# Altium PCB AIWAC_A33_RGB5寸LCD驱动板_20190109.PcbDoc (part 4 of 14) (continued)
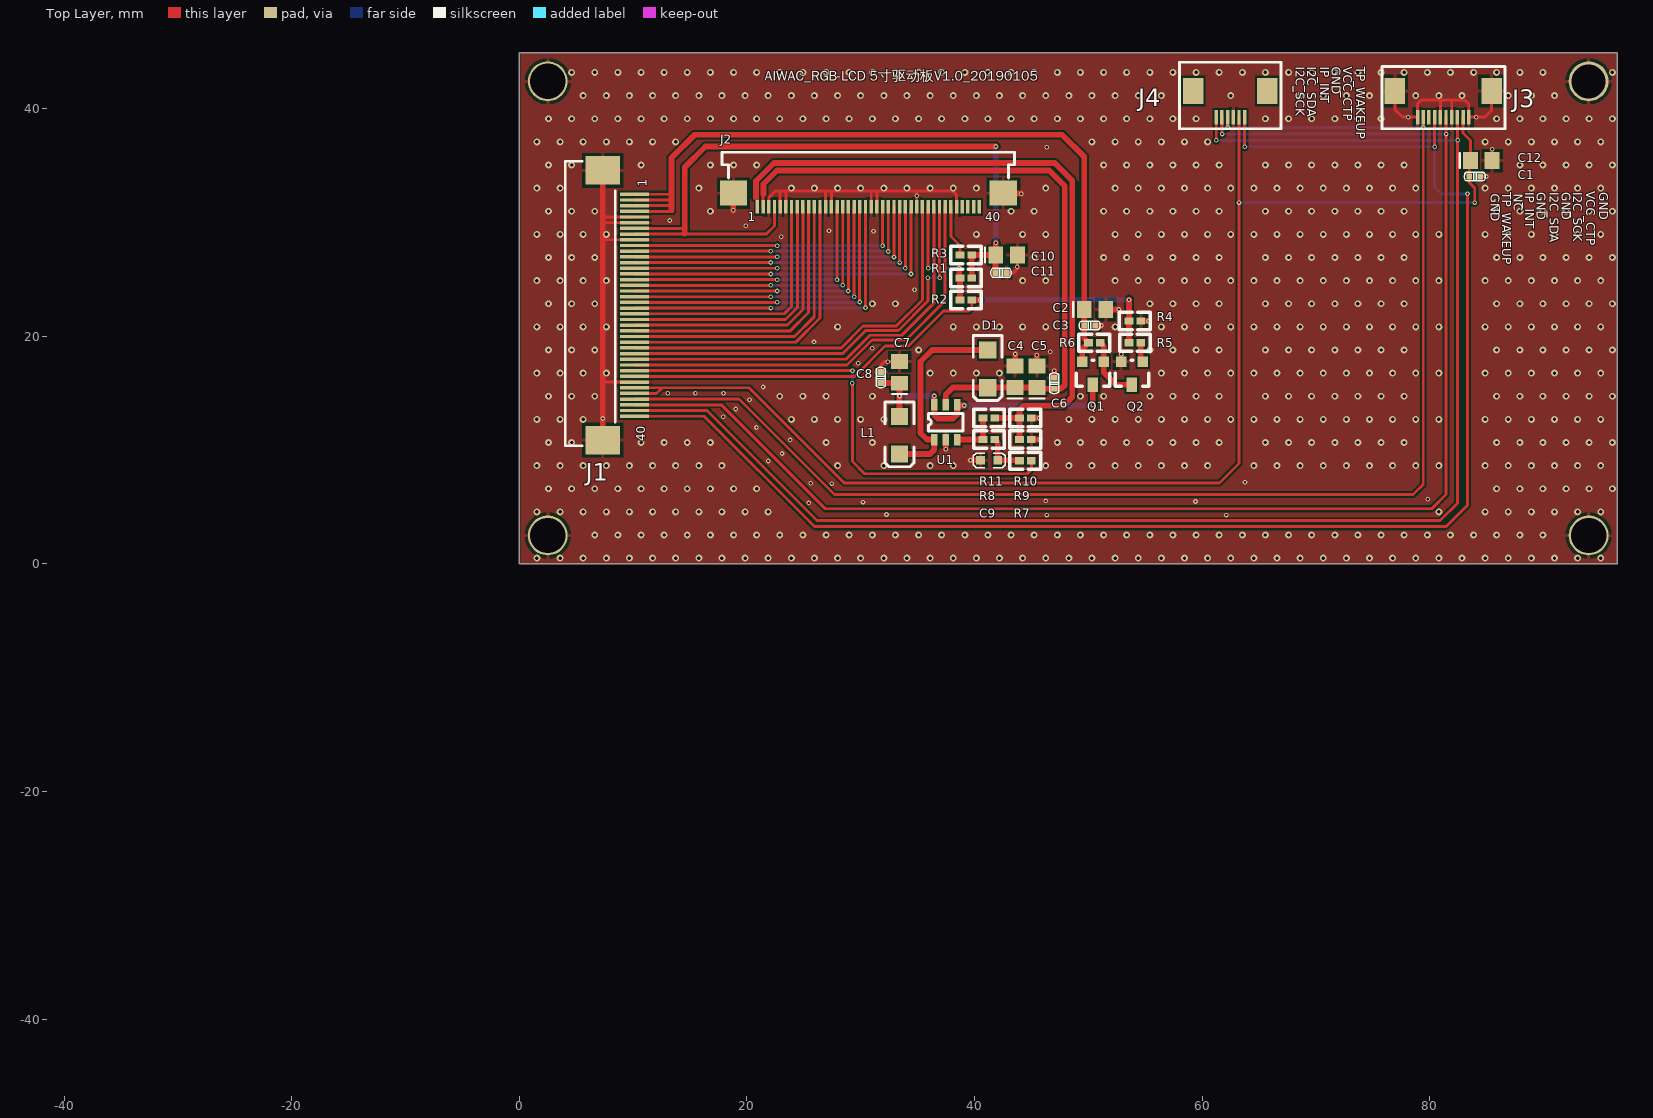
[diagram p0: Top Layer view]
## Free pads (board coordinates) (continued)
1(-39.025,-44.136) 1(-39.025,-44.096) 1(-39.025,-44.096) 1(-39.025,-44.096) 1(-39.025,-44.127) 1(-39.025,-44.127) 1(-39.025,-44.127) 1(-39.025,-44.126) 1(-39.025,-44.126) 1(-39.025,-44.126) 1(-39.025,-44.105) 1(-39.025,-44.105) 1(-39.025,-44.105) 1(-39.025,-44.103) 1(-39.025,-44.103) 1(-39.025,-44.103) 1(-39.025,-44.103) 1(-39.025,-44.103) 1(-39.025,-44.103) 1(-39.025,-44.131) 1(-39.025,-44.131) 1(-39.025,-44.131) 1(-39.024,-44.103) 1(-39.024,-44.103) 1(-39.024,-44.103) 1(-39.024,-44.103) 1(-39.024,-44.103) 1(-39.024,-44.103) 1(-39.024,-44.102) 1(-39.024,-44.102) 1(-39.024,-44.102) 1(-39.024,-44.102) 1(-39.024,-44.102) 1(-39.024,-44.102) 1(-39.024,-44.108) 1(-39.024,-44.108) 1(-39.024,-44.108) 1(-39.024,-44.124) 1(-39.024,-44.124) 1(-39.024,-44.124) 1(-39.024,-44.128) 1(-39.024,-44.128) 1(-39.024,-44.128) 1(-39.024,-44.1) 1(-39.024,-44.1) 1(-39.024,-44.1) 1(-39.024,-44.1) 1(-39.024,-44.1) 1(-39.024,-44.1) 1(-39.024,-44.1) 1(-39.024,-44.1) 1(-39.024,-44.1) 1(-39.024,-44.1) 1(-39.024,-44.1) 1(-39.024,-44.1) 1(-39.024,-44.103) 1(-39.024,-44.103) 1(-39.024,-44.103) 1(-39.024,-44.103) 1(-39.024,-44.103) 1(-39.024,-44.103) 1(-39.024,-44.102) 1(-39.024,-44.102) 1(-39.024,-44.102) 1(-39.024,-44.102) 1(-39.024,-44.102) 1(-39.024,-44.102) 1(-39.024,-44.149) 1(-39.024,-44.149) 1(-39.024,-44.149) 1(-39.024,-44.133) 1(-39.024,-44.133) 1(-39.024,-44.133) 1(-39.024,-44.101) 1(-39.024,-44.101) 1(-39.024,-44.101) 1(-39.024,-44.101) 1(-39.024,-44.101) 1(-39.024,-44.101) 1(-39.024,-44.105) 1(-39.024,-44.105) 1(-39.024,-44.105) 1(-39.024,-44.103) 1(-39.024,-44.103) 1(-39.024,-44.103) 1(-39.024,-44.103) 1(-39.024,-44.103) 1(-39.024,-44.103) 1(-39.024,-44.115) 1(-39.024,-44.115) 1(-39.024,-44.115) 1(-39.024,-44.115) 1(-39.024,-44.115) 1(-39.024,-44.115) 1(-39.024,-44.107) 1(-39.024,-44.107) 1(-39.024,-44.107) 1(-39.023,-44.101) 1(-39.023,-44.101) 1(-39.023,-44.101) 1(-39.023,-44.101) 1(-39.023,-44.101) 1(-39.023,-44.101) 1(-39.023,-44.115) 1(-39.023,-44.115) 1(-39.023,-44.115) 1(-39.023,-44.115) 1(-39.023,-44.115) 1(-39.023,-44.115) 1(-39.023,-44.101) 1(-39.023,-44.101) 1(-39.023,-44.101) 1(-39.023,-44.101) 1(-39.023,-44.101) 1(-39.023,-44.101) 1(-39.023,-44.142) 1(-39.023,-44.142) 1(-39.023,-44.142) 1(-39.023,-44.101) 1(-39.023,-44.101) 1(-39.023,-44.101) 1(-39.023,-44.101) 1(-39.023,-44.101) 1(-39.023,-44.101) 1(-39.023,-44.14) 1(-39.023,-44.14) 1(-39.023,-44.14) 1(-39.023,-44.106) 1(-39.023,-44.106) 1(-39.023,-44.106) 1(-39.023,-44.127) 1(-39.023,-44.127) 1(-39.023,-44.127) 1(-39.023,-44.122) 1(-39.023,-44.122) 1(-39.023,-44.122) 1(-39.023,-44.122) 1(-39.023,-44.122) 1(-39.023,-44.122) 1(-39.023,-44.122) 1(-39.023,-44.122) 1(-39.023,-44.122) 1(-39.023,-44.128) 1(-39.023,-44.128) 1(-39.023,-44.128) 1(-39.023,-44.128) 1(-39.023,-44.128) 1(-39.023,-44.128) 1(-39.022,-44.141) 1(-39.022,-44.141) 1(-39.022,-44.141) 1(-39.022,-44.141) 1(-39.022,-44.141) 1(-39.022,-44.141) 1(-39.022,-44.141) 1(-39.022,-44.141) 1(-39.022,-44.141) 1(-39.022,-44.106) 1(-39.022,-44.106) 1(-39.022,-44.106) 1(-39.022,-44.106) 1(-39.022,-44.106) 1(-39.022,-44.106) 1(-39.022,-44.105) 1(-39.022,-44.105) 1(-39.022,-44.105) 1(-39.022,-44.127) 1(-39.022,-44.127) 1(-39.022,-44.127) 1(-39.022,-44.127) 1(-39.022,-44.127) 1(-39.022,-44.127) 1(-39.022,-44.116) 1(-39.022,-44.116) 1(-39.022,-44.116) 1(-39.022,-44.116) 1(-39.022,-44.116) 1(-39.022,-44.116) 1(-39.022,-44.139) 1(-39.022,-44.139) 1(-39.022,-44.139) 1(-39.022,-44.129) 1(-39.022,-44.129) 1(-39.022,-44.129) 1(-39.022,-44.129) 1(-39.022,-44.129) 1(-39.022,-44.129) 1(-39.022,-44.102) 1(-39.022,-44.102) 1(-39.022,-44.102) 1(-39.022,-44.097) 1(-39.022,-44.097) 1(-39.022,-44.097) 1(-39.022,-44.138) 1(-39.022,-44.138) 1(-39.022,-44.138) 1(-39.022,-44.138) 1(-39.022,-44.138) 1(-39.022,-44.138) 1(-39.022,-44.131) 1(-39.022,-44.131) 1(-39.022,-44.131) 1(-39.022,-44.131) 1(-39.022,-44.131) 1(-39.022,-44.131) 1(-39.022,-44.149) 1(-39.022,-44.149) 1(-39.022,-44.149) 1(-39.022,-44.14) 1(-39.022,-44.14) 1(-39.022,-44.14) 1(-39.022,-44.103) 1(-39.022,-44.103) 1(-39.022,-44.103) 1(-39.022,-44.103) 1(-39.022,-44.103) 1(-39.022,-44.103) 1(-39.022,-44.125) 1(-39.022,-44.125) 1(-39.022,-44.125) 1(-39.022,-44.123) 1(-39.022,-44.123) 1(-39.022,-44.123) 1(-39.022,-44.115) 1(-39.022,-44.115) 1(-39.022,-44.115) 1(-39.022,-44.127) 1(-39.022,-44.127) 1(-39.022,-44.127) 1(-39.022,-44.119) 1(-39.022,-44.119) 1(-39.022,-44.119) 1(-39.022,-44.128) 1(-39.022,-44.128) 1(-39.022,-44.128) 1(-39.022,-44.128) 1(-39.022,-44.128) 1(-39.022,-44.128) 1(-39.021,-44.103) 1(-39.021,-44.103) 1(-39.021,-44.103) 1(-39.021,-44.103) 1(-39.021,-44.103) 1(-39.021,-44.103) 1(-39.021,-44.102) 1(-39.021,-44.102) 1(-39.021,-44.102) 1(-39.021,-44.102) 1(-39.021,-44.102) 1(-39.021,-44.102) 1(-39.021,-44.139) 1(-39.021,-44.139) 1(-39.021,-44.139) 1(-39.021,-44.139) 1(-39.021,-44.139) 1(-39.021,-44.139) 1(-39.021,-44.106) 1(-39.021,-44.106) 1(-39.021,-44.106) 1(-39.021,-44.106) 1(-39.021,-44.106) 1(-39.021,-44.106) 1(-39.021,-44.105) 1(-39.021,-44.105) 1(-39.021,-44.105) 1(-39.021,-44.143) 1(-39.021,-44.143) 1(-39.021,-44.143) 1(-39.021,-44.143) 1(-39.021,-44.143) 1(-39.021,-44.143) 1(-39.021,-44.135) 1(-39.021,-44.135) 1(-39.021,-44.135) 1(-39.021,-44.138) 1(-39.021,-44.138) 1(-39.021,-44.138) 1(-39.02,-44.142) 1(-39.02,-44.142) 1(-39.02,-44.142) 1(-39.02,-44.142) 1(-39.02,-44.142) 1(-39.02,-44.142) 1(-39.02,-44.113) 1(-39.02,-44.113) 1(-39.02,-44.113) 1(-39.02,-44.151) 1(-39.02,-44.151) 1(-39.02,-44.151) 1(-39.02,-44.149) 1(-39.02,-44.149) 1(-39.02,-44.149) 1(-39.02,-44.143) 1(-39.02,-44.143) 1(-39.02,-44.143) 1(-39.02,-44.143) 1(-39.02,-44.143) 1(-39.02,-44.143) 1(-39.02,-44.107) 1(-39.02,-44.107) 1(-39.02,-44.107) 1(-39.02,-44.107) 1(-39.02,-44.107) 1(-39.02,-44.107) 1(-39.02,-44.105) 1(-39.02,-44.105) 1(-39.02,-44.105) 1(-39.02,-44.143) 1(-39.02,-44.143) 1(-39.02,-44.143) 1(-39.02,-44.143) 1(-39.02,-44.143) 1(-39.02,-44.143) 1(-39.02,-44.094) 1(-39.02,-44.094) 1(-39.02,-44.094) 1(-39.019,-44.109) 1(-39.019,-44.109) 1(-39.019,-44.109) 1(-39.019,-44.109) 1(-39.019,-44.109) 1(-39.019,-44.109) 1(-39.019,-44.108) 1(-39.019,-44.108) 1(-39.019,-44.108) 1(-39.019,-44.108) 1(-39.019,-44.108) 1(-39.019,-44.108) 1(-39.019,-44.103) 1(-39.019,-44.103) 1(-39.019,-44.103) 1(-39.019,-44.138) 1(-39.019,-44.138) 1(-39.019,-44.138) 1(-39.019,-44.13) 1(-39.019,-44.13) 1(-39.019,-44.13) 1(-39.019,-44.132) 1(-39.019,-44.132) 1(-39.019,-44.132) 1(-39.019,-44.108) 1(-39.019,-44.108) 1(-39.019,-44.108) 1(-39.019,-44.108) 1(-39.019,-44.108) 1(-39.019,-44.108) 1(-39.019,-44.145) 1(-39.019,-44.145) 1(-39.019,-44.145) 1(-39.019,-44.143) 1(-39.019,-44.143) 1(-39.019,-44.143) 1(-39.019,-44.143) 1(-39.019,-44.143) 1(-39.019,-44.143) 1(-39.019,-44.107) 1(-39.019,-44.107) 1(-39.019,-44.107) 1(-39.019,-44.107) 1(-39.019,-44.107) 1(-39.019,-44.107) 1(-39.019,-44.105) 1(-39.019,-44.105) 1(-39.019,-44.105) 1(-39.018,-44.14) 1(-39.018,-44.14) 1(-39.018,-44.14) 1(-39.018,-44.134) 1(-39.018,-44.134) 1(-39.018,-44.134) 1(-39.018,-44.139) 1(-39.018,-44.139) 1(-39.018,-44.139) 1(-39.018,-44.139) 1(-39.018,-44.139) 1(-39.018,-44.139) 1(-39.018,-44.129) 1(-39.018,-44.129) 1(-39.018,-44.129) 1(-39.018,-44.147) 1(-39.018,-44.147) 1(-39.018,-44.147) 1(-39.018,-44.143) 1(-39.018,-44.143) 1(-39.018,-44.143) 1(-39.018,-44.143) 1(-39.018,-44.143) 1(-39.018,-44.143) 1(-39.018,-44.107) 1(-39.018,-44.107) 1(-39.018,-44.107) 1(-39.018,-44.107) 1(-39.018,-44.107) 1(-39.018,-44.107) 1(-39.018,-44.103) 1(-39.018,-44.103) 1(-39.018,-44.103) 1(-39.018,-44.103) 1(-39.018,-44.103) 1(-39.018,-44.103) 1(-39.017,-44.146) 1(-39.017,-44.146) 1(-39.017,-44.146) 1(-39.017,-44.146) 1(-39.017,-44.146) 1(-39.017,-44.146) 1(-39.017,-44.145) 1(-39.017,-44.145) 1(-39.017,-44.145) 1(-39.017,-44.106) 1(-39.017,-44.106) 1(-39.017,-44.106) 1(-39.017,-44.106) 1(-39.017,-44.106) 1(-39.017,-44.106) 1(-39.017,-44.105) 1(-39.017,-44.105) 1(-39.017,-44.105) 1(-39.017,-44.131) 1(-39.017,-44.131) 1(-39.017,-44.131) 1(-39.017,-44.133) 1(-39.017,-44.133) 1(-39.017,-44.133) 1(-39.017,-44.134) 1(-39.017,-44.134) 1(-39.017,-44.134) 1(-39.017,-44.107) 1(-39.017,-44.107) 1(-39.017,-44.107) 1(-39.017,-44.107) 1(-39.017,-44.107) 1(-39.017,-44.107) 1(-39.017,-44.128) 1(-39.017,-44.128) 1(-39.017,-44.128) 1(-39.017,-44.113) 1(-39.017,-44.113) 1(-39.017,-44.113) 1(-39.017,-44.142) 1(-39.017,-44.142) 1(-39.017,-44.142) 1(-39.017,-44.142) 1(-39.017,-44.142) 1(-39.017,-44.142) 1(-39.017,-44.147) 1(-39.017,-44.147) 1(-39.017,-44.147) 1(-39.017,-44.147) 1(-39.017,-44.147) 1(-39.017,-44.147) 1(-39.016,-44.136) 1(-39.016,-44.136) 1(-39.016,-44.136) 1(-39.016,-44.136) 1(-39.016,-44.136) 1(-39.016,-44.136) 1(-39.016,-44.134) 1(-39.016,-44.134) 1(-39.016,-44.134) 1(-39.016,-44.134) 1(-39.016,-44.134) 1(-39.016,-44.134) 1(-39.016,-44.134) 1(-39.016,-44.134) 1(-39.016,-44.134) 1(-39.016,-44.14) 1(-39.016,-44.14) 1(-39.016,-44.14) 1(-39.016,-44.14) 1(-39.016,-44.14) 1(-39.016,-44.14) 1(-39.016,-44.137) 1(-39.016,-44.137) 1(-39.016,-44.137) 1(-39.016,-44.137) 1(-39.016,-44.137) 1(-39.016,-44.137) 1(-39.016,-44.146) 1(-39.016,-44.146) 1(-39.016,-44.146) 1(-39.016,-44.146) 1(-39.016,-44.146) 1(-39.016,-44.146) 1(-39.016,-44.145) 1(-39.016,-44.145) 1(-39.016,-44.145) 1(-39.016,-44.106) 1(-39.016,-44.106) 1(-39.016,-44.106) 1(-39.016,-44.106) 1(-39.016,-44.106) 1(-39.016,-44.106) 1(-39.016,-44.105) 1(-39.016,-44.105) 1(-39.016,-44.105) 1(-39.016,-44.105) 1(-39.016,-44.105) 1(-39.016,-44.105) 1(-39.016,-44.105) 1(-39.016,-44.105) 1(-39.016,-44.105) 1(-39.016,-44.129) 1(-39.016,-44.129) 1(-39.016,-44.129) 1(-39.016,-44.146) 1(-39.016,-44.146) 1(-39.016,-44.146) 1(-39.016,-44.146) 1(-39.016,-44.146) 1(-39.016,-44.146) 1(-39.016,-44.14) 1(-39.016,-44.14) 1(-39.016,-44.14) 1(-39.016,-44.14) 1(-39.016,-44.14) 1(-39.016,-44.14) 1(-39.016,-44.106) 1(-39.016,-44.106) 1(-39.016,-44.106) 1(-39.016,-44.106) 1(-39.016,-44.106) 1(-39.016,-44.106) 1(-39.015,-44.147) 1(-39.015,-44.147) 1(-39.015,-44.147) 1(-39.015,-44.147) 1(-39.015,-44.147) 1(-39.015,-44.147) 1(-39.015,-44.148) 1(-39.015,-44.148) 1(-39.015,-44.148) 1(-39.015,-44.146) 1(-39.015,-44.146) 1(-39.015,-44.146) 1(-39.015,-44.146) 1(-39.015,-44.146) 1(-39.015,-44.146) 1(-39.015,-44.14) 1(-39.015,-44.14) 1(-39.015,-44.14) 1(-39.015,-44.14) 1(-39.015,-44.14) 1(-39.015,-44.14) 1(-39.015,-44.146) 1(-39.015,-44.146) 1(-39.015,-44.146) 1(-39.015,-44.146) 1(-39.015,-44.146) 1(-39.015,-44.146) 1(-39.015,-44.145) 1(-39.015,-44.145) 1(-39.015,-44.145) 1(-39.014,-44.135) 1(-39.014,-44.135) 1(-39.014,-44.135) 1(-39.014,-44.138) 1(-39.014,-44.138) 1(-39.014,-44.138) 1(-39.014,-44.136) 1(-39.014,-44.136) 1(-39.014,-44.136) 1(-39.014,-44.142) 1(-39.014,-44.142) 1(-39.014,-44.142) 1(-39.014,-44.129) 1(-39.014,-44.129) 1(-39.014,-44.129) 1(-39.014,-44.103) 1(-39.014,-44.103) 1(-39.014,-44.103) 1(-39.014,-44.103) 1(-39.014,-44.103) 1(-39.014,-44.103) 1(-39.014,-44.148) 1(-39.014,-44.148) 1(-39.014,-44.148) 1(-39.014,-44.148) 1(-39.014,-44.148) 1(-39.014,-44.148) 1(-39.013,-44.136) 1(-39.013,-44.136) 1(-39.013,-44.136) 1(-39.013,-44.146) 1(-39.013,-44.146) 1(-39.013,-44.146) 1(-39.013,-44.146) 1(-39.013,-44.146) 1(-39.013,-44.146) 1(-39.013,-44.145) 1(-39.013,-44.145) 1(-39.013,-44.145) 1(-39.013,-44.105) 1(-39.013,-44.105) 1(-39.013,-44.105) 1(-39.013,-44.103) 1(-39.013,-44.103) 1(-39.013,-44.103) 1(-39.013,-44.103) 1(-39.013,-44.103) 1(-39.013,-44.103) 1(-39.013,-44.148) 1(-39.013,-44.148) 1(-39.013,-44.148) 1(-39.013,-44.148) 1(-39.013,-44.148) 1(-39.013,-44.148) 1(-39.013,-44.14) 1(-39.013,-44.14) 1(-39.013,-44.14) 1(-39.013,-44.113) 1(-39.013,-44.113) 1(-39.013,-44.113) 1(-39.013,-44.139) 1(-39.013,-44.139) 1(-39.013,-44.139) 1(-39.013,-44.135) 1(-39.013,-44.135) 1(-39.013,-44.135) 1(-39.013,-44.112) 1(-39.013,-44.112) 1(-39.013,-44.112) 1(-39.013,-44.131) 1(-39.013,-44.131) 1(-39.013,-44.131) 1(-39.013,-44.15) 1(-39.013,-44.15) 1(-39.013,-44.15) 1(-39.013,-44.147) 1(-39.013,-44.147) 1(-39.013,-44.147) 1(-39.013,-44.147) 1(-39.013,-44.147) 1(-39.013,-44.147) 1(-39.013,-44.134) 1(-39.013,-44.134) 1(-39.013,-44.134) 1(-39.013,-44.134) 1(-39.013,-44.134) 1(-39.013,-44.134) 1(-39.013,-44.134) 1(-39.013,-44.134) 1(-39.013,-44.134) 1(-39.013,-44.141) 1(-39.013,-44.141) 1(-39.013,-44.141) 1(-39.013,-44.141) 1(-39.013,-44.141) 1(-39.013,-44.141) 1(-39.013,-44.096) 1(-39.013,-44.096) 1(-39.013,-44.096) 1(-39.012,-44.147) 1(-39.012,-44.147) 1(-39.012,-44.147) 1(-39.012,-44.147) 1(-39.012,-44.147) 1(-39.012,-44.147) 1(-39.012,-44.11) 1(-39.012,-44.11) 1(-39.012,-44.11) 1(-39.012,-44.137) 1(-39.012,-44.137) 1(-39.012,-44.137) 1(-39.012,-44.14) 1(-39.012,-44.14) 1(-39.012,-44.14) 1(-39.012,-44.133) 1(-39.012,-44.133) 1(-39.012,-44.133) 1(-39.012,-44.135) 1(-39.012,-44.135) 1(-39.012,-44.135) 1(-39.012,-44.138) 1(-39.012,-44.138) 1(-39.012,-44.138) 1(-39.012,-44.128) 1(-39.012,-44.128) 1(-39.012,-44.128) 1(-39.012,-44.141) 1(-39.012,-44.141) 1(-39.012,-44.141) 1(-39.012,-44.143) 1(-39.012,-44.143) 1(-39.012,-44.143) 1(-39.012,-44.143) 1(-39.012,-44.143) 1(-39.012,-44.143) 1(-39.012,-44.129) 1(-39.012,-44.129) 1(-39.012,-44.129) 1(-39.011,-44.132) 1(-39.011,-44.132) 1(-39.011,-44.132) 1(-39.011,-44.144) 1(-39.011,-44.144) 1(-39.011,-44.144) 1(-39.01,-44.142) 1(-39.01,-44.142) 1(-39.01,-44.142) 1(-39.01,-44.142) 1(-39.01,-44.142) 1(-39.01,-44.142) 1(-39.01,-44.135) 1(-39.01,-44.135) 1(-39.01,-44.135) 1(-39.01,-44.135) 1(-39.01,-44.135) 1(-39.01,-44.135) 1(-39.01,-44.134) 1(-39.01,-44.134) 1(-39.01,-44.134) 1(-39.01,-44.134) 1(-39.01,-44.134) 1(-39.01,-44.134) 1(-39.01,-44.112) 1(-39.01,-44.112) 1(-39.01,-44.112) 1(-39.01,-44.15) 1(-39.01,-44.15) 1(-39.01,-44.15) 1(-39.01,-44.145) 1(-39.01,-44.145) 1(-39.01,-44.145) 1(-39.009,-44.144) 1(-39.009,-44.144) 1(-39.009,-44.144) 1(-39.009,-44.144) 1(-39.009,-44.144) 1(-39.009,-44.144) 1(-39.009,-44.137) 1(-39.009,-44.137) 1(-39.009,-44.137) 1(-39.009,-44.137) 1(-39.009,-44.137) 1(-39.009,-44.137) 1(-39.009,-44.13) 1(-39.009,-44.13) 1(-39.009,-44.13) 1(-39.009,-44.11) 1(-39.009,-44.11) 1(-39.009,-44.11) 1(-39.009,-44.14) 1(-39.009,-44.14) 1(-39.009,-44.14) 1(-39.009,-44.135) 1(-39.009,-44.135) 1(-39.009,-44.135) 1(-39.009,-44.113) 1(-39.009,-44.113) 1(-39.009,-44.113) 1(-39.009,-44.137) 1(-39.009,-44.137) 1(-39.009,-44.137) 1(-39.009,-44.095) 1(-39.009,-44.095) 1(-39.009,-44.095) 1(-39.009,-44.129) 1(-39.009,-44.129) 1(-39.009,-44.129) 1(-39.008,-44.128) 1(-39.008,-44.128) 1(-39.008,-44.128) 1(-39.008,-44.145) 1(-39.008,-44.145) 1(-39.008,-44.145) 1(-39.008,-44.145) 1(-39.008,-44.145) 1(-39.008,-44.145) 1(-39.008,-44.145) 1(-39.008,-44.145) 1(-39.008,-44.145) 1(-39.008,-44.136) 1(-39.008,-44.136) 1(-39.008,-44.136) 1(-39.008,-44.136) 1(-39.008,-44.136) 1(-39.008,-44.136) 1(-39.008,-44.136) 1(-39.008,-44.136) 1(-39.008,-44.136) 1(-39.008,-44.136) 1(-39.008,-44.136) 1(-39.008,-44.136) 1(-39.008,-44.097) 1(-39.008,-44.097) 1(-39.008,-44.097) 1(-39.008,-44.14) 1(-39.008,-44.14) 1(-39.008,-44.14) 1(-39.008,-44.137) 1(-39.008,-44.137) 1(-39.008,-44.137) 1(-39.007,-44.109) 1(-39.007,-44.109) 1(-39.007,-44.109) 1(-39.007,-44.109) 1(-39.007,-44.109) 1(-39.007,-44.109) 1(-39.007,-44.108) 1(-39.007,-44.108) 1(-39.007,-44.108) 1(-39.007,-44.108) 1(-39.007,-44.108) 1(-39.007,-44.108) 1(-39.007,-44.145) 1(-39.007,-44.145) 1(-39.007,-44.145) 1(-39.007,-44.135) 1(-39.007,-44.135) 1(-39.007,-44.135) 1(-39.007,-44.135) 1(-39.007,-44.135) 1(-39.007,-44.135) 1(-39.007,-44.108) 1(-39.007,-44.108) 1(-39.007,-44.108) 1(-39.007,-44.108) 1(-39.007,-44.108) 1(-39.007,-44.108) 1(-39.007,-44.107) 1(-39.007,-44.107) 1(-39.007,-44.107) 1(-39.007,-44.107) 1(-39.007,-44.107) 1(-39.007,-44.107) 1(-39.007,-44.134) 1(-39.007,-44.134) 1(-39.007,-44.134) 1(-39.007,-44.133) 1(-39.007,-44.133) 1(-39.007,-44.133) 1(-39.007,-44.128) 1(-39.007,-44.128) 1(-39.007,-44.128) 1(-39.007,-44.128) 1(-39.007,-44.128) 1(-39.007,-44.128) 1(-39.007,-44.107) 1(-39.007,-44.107) 1(-39.007,-44.107) 1(-39.007,-44.107) 1(-39.007,-44.107) 1(-39.007,-44.107) 1(-39.007,-44.113) 1(-39.007,-44.113) 1(-39.007,-44.113) 1(-39.007,-44.112) 1(-39.007,-44.112) 1(-39.007,-44.112) 1(-39.006,-44.14) 1(-39.006,-44.14) 1(-39.006,-44.14) 1(-39.006,-44.137) 1(-39.006,-44.137) 1(-39.006,-44.137) 1(-39.006,-44.106) 1(-39.006,-44.106) 1(-39.006,-44.106) 1(-39.006,-44.106) 1(-39.006,-44.106) 1(-39.006,-44.106) 1(-39.006,-44.128) 1(-39.006,-44.128) 1(-39.006,-44.128) 1(-39.006,-44.128) 1(-39.006,-44.128) 1(-39.006,-44.128) 1(-39.006,-44.128) 1(-39.006,-44.128) 1(-39.006,-44.128) 1(-39.006,-44.128) 1(-39.006,-44.128) 1(-39.006,-44.128) 1(-39.006,-44.129) 1(-39.006,-44.129) 1(-39.006,-44.129) 1(-39.006,-44.129) 1(-39.006,-44.129) 1(-39.006,-44.129) 1(-39.006,-44.144) 1(-39.006,-44.144) 1(-39.006,-44.144) 1(-39.006,-44.144) 1(-39.006,-44.144) 1(-39.006,-44.144) 1(-39.006,-44.132) 1(-39.006,-44.132) 1(-39.006,-44.132) 1(-39.006,-44.132) 1(-39.006,-44.132) 1(-39.006,-44.132) 1(-39.006,-44.145) 1(-39.006,-44.145) 1(-39.006,-44.145) 1(-39.006,-44.106) 1(-39.006,-44.106) 1(-39.006,-44.106) 1(-39.006,-44.106) 1(-39.006,-44.106) 1(-39.006,-44.106) 1(-39.006,-44.105) 1(-39.006,-44.105) 1(-39.006,-44.105) 1(-39.006,-44.106) 1(-39.006,-44.106) 1(-39.006,-44.106) 1(-39.006,-44.106) 1(-39.006,-44.106) 1(-39.006,-44.106) 1(-39.006,-44.118) 1(-39.006,-44.118) 1(-39.006,-44.118) 1(-39.006,-44.118) 1(-39.006,-44.118) 1(-39.006,-44.118) 1(-39.006,-44.11) 1(-39.006,-44.11) 1(-39.006,-44.11) 1(-39.006,-44.11) 1(-39.006,-44.11) 1(-39.006,-44.11) 1(-39.005,-44.117) 1(-39.005,-44.117) 1(-39.005,-44.117) 1(-39.005,-44.117) 1(-39.005,-44.117) 1(-39.005,-44.117) 1(-39.005,-44.11) 1(-39.005,-44.11) 1(-39.005,-44.11) 1(-39.005,-44.11) 1(-39.005,-44.11) 1(-39.005,-44.11) 1(-39.005,-44.15) 1(-39.005,-44.15) 1(-39.005,-44.15) 1(-39.005,-44.107) 1(-39.005,-44.107) 1(-39.005,-44.107) 1(-39.005,-44.107) 1(-39.005,-44.107) 1(-39.005,-44.107) 1(-39.005,-44.131) 1(-39.005,-44.131) 1(-39.005,-44.131) 1(-39.005,-44.134) 1(-39.005,-44.134) 1(-39.005,-44.134) 1(-39.005,-44.117) 1(-39.005,-44.117) 1(-39.005,-44.117) 1(-39.005,-44.117) 1(-39.005,-44.117) 1(-39.005,-44.117) 1(-39.005,-44.11) 1(-39.005,-44.11) 1(-39.005,-44.11) 1(-39.005,-44.11) 1(-39.005,-44.11) 1(-39.005,-44.11) 1(-39.005,-44.139) 1(-39.005,-44.139) 1(-39.005,-44.139) 1(-39.005,-44.137) 1(-39.005,-44.137) 1(-39.005,-44.137) 1(-39.005,-44.145) 1(-39.005,-44.145) 1(-39.005,-44.145) 1(-39.005,-44.145) 1(-39.005,-44.145) 1(-39.005,-44.145) 1(-39.005,-44.14) 1(-39.005,-44.14) 1(-39.005,-44.14) 1(-39.005,-44.14) 1(-39.005,-44.14) 1(-39.005,-44.14) 1(-39.005,-44.106) 1(-39.005,-44.106) 1(-39.005,-44.106) 1(-39.005,-44.106) 1(-39.005,-44.106) 1(-39.005,-44.106) 1(-39.005,-44.105) 1(-39.005,-44.105) 1(-39.005,-44.105) 1(-39.005,-44.14) 1(-39.005,-44.14) 1(-39.005,-44.14) 1(-39.005,-44.14) 1(-39.005,-44.14) 1(-39.005,-44.14) 1(-39.005,-44.145) 1(-39.005,-44.145) 1(-39.005,-44.145) 1(-39.004,-44.117) 1(-39.004,-44.117) 1(-39.004,-44.117) 1(-39.004,-44.117) 1(-39.004,-44.117) 1(-39.004,-44.117) 1(-39.004,-44.11) 1(-39.004,-44.11) 1(-39.004,-44.11) 1(-39.004,-44.11) 1(-39.004,-44.11) 1(-39.004,-44.11) 1(-39.004,-44.117) 1(-39.004,-44.117) 1(-39.004,-44.117) 1(-39.004,-44.117) 1(-39.004,-44.117) 1(-39.004,-44.117) 1(-39.004,-44.125) 1(-39.004,-44.125) 1(-39.004,-44.125) 1(-39.004,-44.125) 1(-39.004,-44.125) 1(-39.004,-44.125) 1(-39.004,-44.125) 1(-39.004,-44.125) 1(-39.004,-44.125) 1(-39.004,-44.125) 1(-39.004,-44.125) 1(-39.004,-44.125) 1(-39.004,-44.118) 1(-39.004,-44.118) 1(-39.004,-44.118) 1(-39.004,-44.118) 1(-39.004,-44.118) 1(-39.004,-44.118) 1(-39.004,-44.118) 1(-39.004,-44.118) 1(-39.004,-44.118) 1(-39.004,-44.118) 1(-39.004,-44.118) 1(-39.004,-44.118) 1(-39.004,-44.115) 1(-39.004,-44.115) 1(-39.004,-44.115) 1(-39.004,-44.115) 1(-39.004,-44.115) 1(-39.004,-44.115) 1(-39.004,-44.11) 1(-39.004,-44.11) 1(-39.004,-44.11) 1(-39.004,-44.11) 1(-39.004,-44.11) 1(-39.004,-44.11) 1(-39.004,-44.115) 1(-39.004,-44.115) 1(-39.004,-44.115) 1(-39.004,-44.115) 1(-39.004,-44.115) 1(-39.004,-44.115) 1(-39.004,-44.125) 1(-39.004,-44.125) 1(-39.004,-44.125) 1(-39.004,-44.125) 1(-39.004,-44.125) 1(-39.004,-44.125) 1(-39.004,-44.124) 1(-39.004,-44.124) 1(-39.004,-44.124) 1(-39.004,-44.124) 1(-39.004,-44.124) 1(-39.004,-44.124) 1(-39.004,-44.137) 1(-39.004,-44.137) 1(-39.004,-44.137) 1(-39.004,-44.134) 1(-39.004,-44.134) 1(-39.004,-44.134) 1(-39.004,-44.139) 1(-39.004,-44.139) 1(-39.004,-44.139) 1(-39.003,-44.117) 1(-39.003,-44.117) 1(-39.003,-44.117) 1(-39.003,-44.114) 1(-39.003,-44.114) 1(-39.003,-44.114) 1(-39.003,-44.114) 1(-39.003,-44.114) 1(-39.003,-44.114) 1(-39.003,-44.109) 1(-39.003,-44.109) 1(-39.003,-44.109) 1(-39.003,-44.109) 1(-39.003,-44.109) 1(-39.003,-44.109) 1(-39.003,-44.145) 1(-39.003,-44.145) 1(-39.003,-44.145) 1(-39.003,-44.14) 1(-39.003,-44.14) 1(-39.003,-44.14) 1(-39.003,-44.14) 1(-39.003,-44.14) 1(-39.003,-44.14) 1(-39.003,-44.106) 1(-39.003,-44.106) 1(-39.003,-44.106) 1(-39.003,-44.106) 1(-39.003,-44.106) 1(-39.003,-44.106) 1(-39.003,-44.105) 1(-39.003,-44.105) 1(-39.003,-44.105) 1(-39.003,-44.114) 1(-39.003,-44.114) 1(-39.003,-44.114) 1(-39.003,-44.114) 1(-39.003,-44.114) 1(-39.003,-44.114) 1(-39.003,-44.122) 1(-39.003,-44.122) 1(-39.003,-44.122) 1(-39.003,-44.122) 1(-39.003,-44.122) 1(-39.003,-44.122) 1(-39.003,-44.116) 1(-39.003,-44.116) 1(-39.003,-44.116) 1(-39.003,-44.116) 1(-39.003,-44.116) 1(-39.003,-44.116) 1(-39.003,-44.115) 1(-39.003,-44.115) 1(-39.003,-44.115) 1(-39.003,-44.115) 1(-39.003,-44.115) 1(-39.003,-44.115) 1(-39.003,-44.126) 1(-39.003,-44.126) 1(-39.003,-44.126) 1(-39.003,-44.126) 1(-39.003,-44.126) 1(-39.003,-44.126) 1(-39.003,-44.122) 1(-39.003,-44.122) 1(-39.003,-44.122) 1(-39.003,-44.122) 1(-39.003,-44.122) 1(-39.003,-44.122) 1(-39.003,-44.12) 1(-39.003,-44.12) 1(-39.003,-44.12) 1(-39.003,-44.12) 1(-39.003,-44.12) 1(-39.003,-44.12) 1(-39.003,-44.097) 1(-39.003,-44.097) 1(-39.003,-44.097) 1(-39.003,-44.126) 1(-39.003,-44.126) 1(-39.003,-44.126) 1(-39.003,-44.114) 1(-39.003,-44.114) 1(-39.003,-44.114) 1(-39.003,-44.114) 1(-39.003,-44.114) 1(-39.003,-44.114) 1(-39.003,-44.106) 1(-39.003,-44.106) 1(-39.003,-44.106) 1(-39.003,-44.106) 1(-39.003,-44.106) 1(-39.003,-44.106) 1(-39.003,-44.151) 1(-39.003,-44.151) 1(-39.003,-44.151) 1(-39.003,-44.15) 1(-39.003,-44.15) 1(-39.003,-44.15) 1(-39.003,-44.095) 1(-39.003,-44.095) 1(-39.003,-44.095) 1(-39.002,-44.105) 1(-39.002,-44.105) 1(-39.002,-44.105) 1(-39.002,-44.105) 1(-39.002,-44.105) 1(-39.002,-44.105) 1(-39.002,-44.131) 1(-39.002,-44.131) 1(-39.002,-44.131) 1(-39.002,-44.139) 1(-39.002,-44.139) 1(-39.002,-44.139) 1(-39.002,-44.139) 1(-39.002,-44.139) 1(-39.002,-44.139) 1(-39.002,-44.133) 1(-39.002,-44.133) 1(-39.002,-44.133) 1(-39.002,-44.111) 1(-39.002,-44.111) 1(-39.002,-44.111) 1(-39.002,-44.111) 1(-39.002,-44.111) 1(-39.002,-44.111) 1(-39.002,-44.105) 1(-39.002,-44.105) 1(-39.002,-44.105) 1(-39.002,-44.105) 1(-39.002,-44.105) 1(-39.002,-44.105) 1(-39.002,-44.126) 1(-39.002,-44.126) 1(-39.002,-44.126) 1(-39.002,-44.126) 1(-39.002,-44.126) 1(-39.002,-44.126) 1(-39.002,-44.123) 1(-39.002,-44.123) 1(-39.002,-44.123) 1(-39.002,-44.123) 1(-39.002,-44.123) 1(-39.002,-44.123) 1(-39.002,-44.13) 1(-39.002,-44.13) 1(-39.002,-44.13) 1(-39.002,-44.127) 1(-39.002,-44.127) 1(-39.002,-44.127) 1(-39.002,-44.127) 1(-39.002,-44.127) 1(-39.002,-44.127) 1(-39.002,-44.105) 1(-39.002,-44.105) 1(-39.002,-44.105) 1(-39.002,-44.105) 1(-39.002,-44.105) 1(-39.002,-44.105) 1(-39.002,-44.105) 1(-39.002,-44.105) 1(-39.002,-44.105) 1(-39.002,-44.128) 1(-39.002,-44.128) 1(-39.002,-44.128) 1(-39.002,-44.114) 1(-39.002,-44.114) 1(-39.002,-44.114) 1(-39.002,-44.114) 1(-39.002,-44.114) 1(-39.002,-44.114) 1(-39.002,-44.112) 1(-39.002,-44.112) 1(-39.002,-44.112) 1(-39.002,-44.112) 1(-39.002,-44.112) 1(-39.002,-44.112) 1(-39.002,-44.121) 1(-39.002,-44.121) 1(-39.002,-44.121) 1(-39.002,-44.121) 1(-39.002,-44.121) 1(-39.002,-44.121) 1(-39.002,-44.126) 1(-39.002,-44.126) 1(-39.002,-44.126) 1(-39.002,-44.126) 1(-39.002,-44.126) 1(-39.002,-44.126) 1(-39.002,-44.122) 1(-39.002,-44.122) 1(-39.002,-44.122) 1(-39.002,-44.122) 1(-39.002,-44.122) 1(-39.002,-44.122) 1(-39.002,-44.121) 1(-39.002,-44.121) 1(-39.002,-44.121) 1(-39.002,-44.121) 1(-39.002,-44.121) 1(-39.002,-44.121) 1(-39.002,-44.126) 1(-39.002,-44.126) 1(-39.002,-44.126) 1(-39.002,-44.126) 1(-39.002,-44.126) 1(-39.002,-44.126) 1(-39.002,-44.12) 1(-39.002,-44.12) 1(-39.002,-44.12) 1(-39.002,-44.12) 1(-39.002,-44.12) 1(-39.002,-44.12) 1(-39.001,-44.117) 1(-39.001,-44.117) 1(-39.001,-44.117) 1(-39.001,-44.127) 1(-39.001,-44.127) 1(-39.001,-44.127) 1(-39.001,-44.127) 1(-39.001,-44.127) 1(-39.001,-44.127) 1(-39.001,-44.128) 1(-39.001,-44.128) 1(-39.001,-44.128) 1(-39.001,-44.138) 1(-39.001,-44.138) 1(-39.001,-44.138) 1(-39.001,-44.129) 1(-39.001,-44.129) 1(-39.001,-44.129) 1(-39.001,-44.14) 1(-39.001,-44.14) 1(-39.001,-44.14) 1(-39.001,-44.103) 1(-39.001,-44.103) 1(-39.001,-44.103) 1(-39.001,-44.142) 1(-39.001,-44.142) 1(-39.001,-44.142) 1(-39.001,-44.126) 1(-39.001,-44.126) 1(-39.001,-44.126) 1(-39.001,-44.126) 1(-39.001,-44.126) 1(-39.001,-44.126) 1(-39.001,-44.121) 1(-39.001,-44.121) 1(-39.001,-44.121) 1(-39.001,-44.121) 1(-39.001,-44.121) 1(-39.001,-44.121) 1(-39.001,-44.12) 1(-39.001,-44.12) 1(-39.001,-44.12) 1(-39.001,-44.105) 1(-39.001,-44.105) 1(-39.001,-44.105) 1(-39.001,-44.113) 1(-39.001,-44.113) 1(-39.001,-44.113) 1(-39.001,-44.113) 1(-39.001,-44.113) 1(-39.001,-44.113) 1(-39.001,-44.105) 1(-39.001,-44.105) 1(-39.001,-44.105) 1(-39.001,-44.105) 1(-39.001,-44.105) 1(-39.001,-44.105) 1(-39.001,-44.148) 1(-39.001,-44.148) 1(-39.001,-44.148) 1(-39.001,-44.148) 1(-39.001,-44.148) 1(-39.001,-44.148) 1(-39,-44.148) 1(-39,-44.148) 1(-39,-44.148) 1(-39,-44.148) 1(-39,-44.148) 1(-39,-44.148) 1(-39,-44.125) 1(-39,-44.125) 1(-39,-44.125) 1(-39,-44.125) 1(-39,-44.125) 1(-39,-44.125) 1(-39,-44.121) 1(-39,-44.121) 1(-39,-44.121) 1(-39,-44.121) 1(-39,-44.121) 1(-39,-44.121) 1(-39,-44.127) 1(-39,-44.127) 1(-39,-44.127) 1(-39,-44.151) 1(-39,-44.151) 1(-39,-44.151) 1(-39,-44.12) 1(-39,-44.12) 1(-39,-44.12) 1(-39,-44.147) 1(-39,-44.147) 1(-39,-44.147) 1(-39,-44.147) 1(-39,-44.147) 1(-39,-44.147) 1(-39,-44.147) 1(-39,-44.147) 1(-39,-44.147) 1(-39,-44.147) 1(-39,-44.147) 1(-39,-44.147) 1(-39,-44.129) 1(-39,-44.129) 1(-39,-44.129) 1(-39,-44.129) 1(-39,-44.129) 1(-39,-44.129) 1(-39,-44.126) 1(-39,-44.126) 1(-39,-44.126) 1(-39,-44.126) 1(-39,-44.126) 1(-39,-44.126) 1(-39,-44.123) 1(-39,-44.123) 1(-39,-44.123) 1(-39,-44.121) 1(-39,-44.121) 1(-39,-44.121) 1(-39,-44.121) 1(-39,-44.121) 1(-39,-44.121) 1(-39,-44.143) 1(-39,-44.143) 1(-39,-44.143) 1(-38.999,-44.111) 1(-38.999,-44.111) 1(-38.999,-44.111) 1(-38.999,-44.111) 1(-38.999,-44.111) 1(-38.999,-44.111) 1(-38.999,-44.105) 1(-38.999,-44.105) 1(-38.999,-44.105) 1(-38.999,-44.139) 1(-38.999,-44.139) 1(-38.999,-44.139) 1(-38.999,-44.139) 1(-38.999,-44.139) 1(-38.999,-44.139) 1(-38.999,-44.116) 1(-38.999,-44.116) 1(-38.999,-44.116) 1(-38.999,-44.116) 1(-38.999,-44.116) 1(-38.999,-44.116) 1(-38.999,-44.12) 1(-38.999,-44.12) 1(-38.999,-44.12) 1(-38.999,-44.13) 1(-38.999,-44.13) 1(-38.999,-44.13) 1(-38.999,-44.119) 1(-38.999,-44.119) 1(-38.999,-44.119) 1(-38.998,-44.15) 1(-38.998,-44.15) 1(-38.998,-44.15) 1(-38.998,-44.15) 1(-38.998,-44.15) 1(-38.998,-44.15) 1(-38.998,-44.15) 1(-38.998,-44.15) 1(-38.998,-44.15) 1(-38.998,-44.15) 1(-38.998,-44.15) 1(-38.998,-44.15) 1(-38.998,-44.123) 1(-38.998,-44.123) 1(-38.998,-44.123) 1(-38.998,-44.105) 1(-38.998,-44.105) 1(-38.998,-44.105) 1(-38.998,-44.111) 1(-38.998,-44.111) 1(-38.998,-44.111) 1(-38.998,-44.111) 1(-38.998,-44.111) 1(-38.998,-44.111) 1(-38.998,-44.105) 1(-38.998,-44.105) 1(-38.998,-44.105) 1(-38.998,-44.105) 1(-38.998,-44.105) 1(-38.998,-44.105) 1(-38.998,-44.15) 1(-38.998,-44.15) 1(-38.998,-44.15) 1(-38.998,-44.15) 1(-38.998,-44.15) 1(-38.998,-44.15) 1(-38.998,-44.128) 1(-38.998,-44.128) 1(-38.998,-44.128) 1(-38.998,-44.149) 1(-38.998,-44.149) 1(-38.998,-44.149) 1(-38.998,-44.149) 1(-38.998,-44.149) 1(-38.998,-44.149) 1(-38.998,-44.127) 1(-38.998,-44.127) 1(-38.998,-44.127) 1(-38.997,-44.121) 1(-38.997,-44.121) 1(-38.997,-44.121) 1(-38.997,-44.121)